# KiCad board st225_20527.kicad_pcb (continued)
## Nets (continued)
RMODE_IN: 3J1.5 J7.3 RP14.9
SEEK_COMPLETE: 1C1.12 4B1.2 6D1.9
STEP: 3J1.12 4B1.9
WCURR0: 5D1.6 8E1.13
WCURR1: 5D1.5 8E1.2
WRITE_FAULT: 1C1.3 1C1.4 1D2.12 8E1.12 RP7.4
~{DC_UNSAFE}: 4A1.10 5B1.37
~{INDEX}: 1D2.6 J1.20
~{OUT_EN}: 1C1.5 1C1.9 1C1.10 1C1.13 1D2.2 1D2.4 1D2.9 1D2.13 1H1.6 4B1.5 4B1.10 R9.2
~{READY}: 1D2.8 J1.22
~{SEEK_COMPLETE}: 1C1.11 J1.8
~{START}/RUN: 1H1.12 2E1.1 2E1.7 3B1.3 R13.2
~{TRACK000}: 1D2.3 J1.10
~{WRITE_FAULT}: 1D2.11 J1.12
Net-(1B1A-B): 1B1.2 1B1.12
Net-(1B1A-Cext): 1B1.14 C36.2
Net-(1B1A-Q): 1B1.13 3A1.2
Net-(1B1A-RCext): 1B1.15 C36.1 R24.2
Net-(1B1B-Cext): 1B1.6 C44.2
Net-(1B1B-RCext): 1B1.7 C44.1 R25.2
Net-(1C1-Pad2): 1C1.2 C17.1 R10.1
Net-(1D2-Pad1): 1D2.1 3J1.8
Net-(1H1-Pad2): 1H1.2 R21.1
Net-(1H1-Pad10): 1H1.10 C18.1 R12.2
Net-(1H1-Pad11): 1H1.3 1H1.11 3J1.2
Net-(2E1-Pad2): 2E1.2 3B1.2 R16.2
Net-(2E1-Pad3): 2E1.3 R22.2
Net-(2E1-Pad5): 2E1.5 R29.2
Net-(3A1A-~{Q}): 3A1.6 3B1.13
Net-(3A1A-~{R}): 3A1.1 3A1.4 3A1.13 RP12.2
Net-(3A1B-D): 3A1.8 3A1.12
Net-(3A1B-Q): 3A1.9 4A1.2
Net-(3A1B-~{S}): 3A1.10 3B1.10 RP12.5
Net-(4A1A-Cext): 4A1.14 C22.2
Net-(4A1A-RCext): 4A1.15 C22.1 R33.2
Net-(4A1B-Cext): 4A1.6 C23.2
Net-(4A1B-RCext): 4A1.7 C23.1 R34.2
Net-(4A1B-~{Q}): 4A1.12 5D1.39 6D1.13
Net-(4F1-COIL_A): 4F1.6 RP4.2
Net-(4F1-COIL_B): 4F1.7 RP4.3
Net-(4F1-FREF): 4F1.1 Q7.3 R14.1 R15.1
Net-(4F1-SENSE): 4F1.5 R17.2 R23.2
Net-(5B1A-VCTAP): 5B1.39 R44.1
Net-(5B1A-VHS): 5B1.38 8E1.20
Net-(5B1A-WDATA_IN+): 5B1.20 J2.14 R6.1
Net-(5B1A-WDATA_IN-): 5B1.19 J2.13 R6.2
Net-(5B1A-WDO+): 5B1.17 9E1.8 C6.1 R46.2
Net-(5B1A-WDO-): 5B1.16 9E1.7 C6.2 R46.1
Net-(5B1A-WRITE_CUR): 5B1.14 R7.2 R8.1 R11.1
Net-(5B1A-WRT_OK): 4B1.6 5B1.13 RP12.7
Net-(5B1A-~{WRT_FAULT}): 5B1.36 R10.2
Net-(5B1B-+GAIN): 5B1.4 R4.2
Net-(5B1B--GAIN): 5B1.3 L5.2
Net-(5B1B-DI+): 5B1.1 C7.2 L3.2 R3.1 TP1.1
Net-(5B1B-DI-): 5B1.2 C7.1 L4.2 R3.2 TP2.1
Net-(5B1B-DO+): 5B1.7 C10.1 R45.2 R48.1
Net-(5B1B-DO-): 5B1.8 C13.1 R47.1 R49.1
Net-(5B1C-+C1): 5B1.9 C10.2 R50.1 R51.1
Net-(5B1C-+C2): 5B1.10 5B1.11 C42.1 L9.2 R51.2
Net-(5B1C--C2): 5B1.12 R50.2 R52.1
Net-(5B1C-OA): 5B1.29 RP1.3
Net-(5B1C-TMG1): 5B1.33 C14.1 R5.1
Net-(5B1C-TMG2): 5B1.32 C39.2 R32.1
Net-(5B1C-TMG3): 5B1.31 C15.1 R36.2
Net-(5B1C-TMG4): 5B1.30 C41.2 R43.1
Net-(5D1-CNTR): 4B1.8 4B1.11 5D1.21 6D1.3 6D1.11 RP7.2
Net-(5D1-PA1): 5D1.37 6D1.5
Net-(5D1-PA4): 4B1.12 5D1.34
Net-(5D1-PB0): 5D1.29 7F1.15
Net-(5D1-PB1): 5D1.28 7F1.14
Net-(5D1-PB2): 5D1.27 7F1.13
Net-(5D1-PB3): 5D1.26 7F1.12
Net-(5D1-PB4): 5D1.25 6F1.15
Net-(5D1-PB5): 5D1.24 6F1.14
Net-(5D1-PB6): 5D1.23 6F1.13
Net-(5D1-PB7): 5D1.22 6F1.12
Net-(5D1-PC0): 5D1.20 7E1.7
Net-(5D1-PC1): 5D1.19 7E1.10
Net-(5D1-PC2): 5D1.18 7E1.8
Net-(5D1-PC3): 5D1.17 6D1.10
Net-(5D1-PC4): 3J1.11 5D1.16
Net-(5D1-PC5): 3J1.9 5D1.15
Net-(5D1-PC6): 1H1.13 5D1.14
Net-(5D1-PC7): 1H1.1 5D1.13
Net-(5D1-XTLI): 5D1.10 Y1.2
Net-(5D1-~{NMI}): 5D1.40 R35.2
Net-(6D1A-~{R}): 6D1.1 6D1.4 RP7.3
Net-(6F1-4): 6F1.5 RP10.4
Net-(6F1-9): 6F1.11 RP10.2
Net-(7E1-1/2_STEP): 7E1.9 RP7.6
Net-(7E1-PH0): 7E1.2 R39.1 RP5.2
Net-(7E1-PH1): 7E1.3 R40.1 RP5.5
Net-(7E1-PH2): 7E1.14 R41.1 RP5.7
Net-(7E1-PH3): 7E1.15 R42.1 RP5.3
Net-(7E1-SET): 7E1.6 Q9.1
Net-(7F1-4): 7F1.5 RP10.6
Net-(7F1-9): 7F1.11 RP10.8
Net-(8E1-12V): 8E1.10 9E1.12 C1.1 C25.2 R75.1
Net-(8E1-IWR1): 8E1.19 R11.2
Net-(8E1-IWR2): 8E1.14 R8.2
Net-(8E1-VCTAP): 8E1.1 C2.1 R44.2
Net-(8E1-~{HDSEL4}): 8E1.15 R30.2
Net-(9E1-DO+): 9E1.10 C5.1
Net-(9E1-DO-): 9E1.9 C4.1
Net-(9E1-G+): 9E1.6 C19.1 C45.1
Net-(9E1-G-): 9E1.5 C19.2 C45.2
Net-(C3-Pad1): C3.1 L2.2 L4.1
Net-(C3-Pad2): C3.2 L1.2 L3.1
Net-(C4-Pad2): C4.2 R1.2
Net-(C5-Pad2): C5.2 R2.2
Net-(C9-Pad1): C9.1 L5.1
Net-(C9-Pad2): C9.2 R4.1
Net-(C11-Pad1): C11.1 R48.2
Net-(C12-Pad1): C12.1 R49.2
Net-(C13-Pad2): C13.2 C42.2 L9.1 R52.2
Net-(C20-Pad2): C20.2 R26.1
Net-(CR1-A): CR1.2 Q6.3 RP6.5
Net-(CR2-K): CR2.1 Q5.1 RP6.3
Net-(CR3-K): CR3.1 Q1.1 Q3.1 R20.1 R28.1
Net-(D5-K): D5.1 R12.1
Net-(J3-Pin_1): J3.1 L7.1
Net-(J3-Pin_4): J3.4 L8.1
Net-(J5-Pin_2): 9E1.13 J5.2
Net-(J5-Pin_4): 9E1.14 J5.4
Net-(J5-Pin_6): 9E1.15 J5.6
Net-(J5-Pin_8): 9E1.16 J5.8
Net-(J5-Pin_10): 9E1.4 J5.10
Net-(J5-Pin_12): 9E1.3 J5.12
Net-(J5-Pin_14): 9E1.2 J5.14
Net-(J5-Pin_16): 9E1.1 J5.16
Net-(J6-Pin_1): J6.1 R42.2 RP10.1 TP7.1
Net-(J6-Pin_2): J6.2 R41.2 RP10.3 TP6.1
Net-(J6-Pin_3): J6.3 R40.2 RP10.7 TP5.1
Net-(J6-Pin_5): J6.5 R39.2 RP10.5 TP4.1
Net-(J7-Pin_11): 3J1.1 J7.9 J7.11 J7.13 J7.15 R61.2 R62.1
Net-(L1-Pad1): L1.1 R1.1
Net-(L2-Pad1): L2.1 R2.1
Net-(Q1-B): Q1.3 R20.2 R22.1
Net-(Q2-B): Q2.3 RP3.2 RP4.1
Net-(Q2-E): Q2.1 Q4.1 R23.1 R27.1
Net-(Q3-B): Q3.3 R28.2 R29.1
Net-(Q4-B): Q4.3 RP3.4 RP4.4
Net-(Q5-B): Q5.3 Q6.1 RP6.4
Net-(Q6-B): Q6.2 RP6.2
Net-(Q7-B): C21.2 Q7.2 R14.2
Net-(Q9-B): Q9.2 R21.2 R37.1
Net-(Q9-C): Q9.3 R38.1
Net-(RP6A-R1.1): 3B1.4 RP6.1
Net-(RP12E-R5.2): 4B1.13 RP12.6
Net-(RP12G-R7.2): 3B1.6 4B1.3 4B1.4 RP12.8

Pads without a net: 1B1 4 5; 1H1 8 9; 3A1 5; 3B1 8 9; 4A1 4 5; 4F1 2; 5B1 6 15 24 25 34; 5D1 2 3 4 7 8 9 32 35; 6D1 6 8; 6F1 1 2 3 4 6 7 9 10; 7E1 11; 7F1 1 2 3 4 6 7 9 10; 8E1 3 4 5; J2 3 5 9 10; J4 6; J6 4; RP1 1 2; RP4 6

## Via types
v1: diameter 1.524, hole 0.762, Top to Bottom, 190 vias

## Routing (per net, layer and track width the routed paths; a pad name or vN(x,y) marks a point on that pad's centre or on a via; arc(x,y) is an arc through that point)
+5V: length 814.1
  Top w0.508: 1C1.14 73.12,14.3 89.96,14.3 1D2.14
  Top w0.762: v1(105.54,164.21) 100.87,164.21 98.57,161.92
  Top w1.016: 71.76,27.56 52.45,27.56 v1(51.94,28.07) ; 71.76,27.56 3J1.14 ; 71.76,27.56 89.53,27.56 1H1.14 ; C14.2 31.5,99.27 C39.1 ; RP7.1 90.42,141.99 v1(90.93,142.49) ; 3B1.14 25.26,36.83 32.38,36.83 RP12.1 ; 96.52,135.51 96.52,131.7 95.99,131.17 5D1.30 ; 96.52,135.51 v1(98.81,135.51) ; 96.52,135.51 v1(92.84,135.51) ; 4B1.14 26.8,59.94 28.7,58.04 33.27,58.04 35.69,60.45 v1(39.88,60.45) ; v1(132.72,48.51) 132.08,49.15 128.77,49.15 J4.3 127.5,48.52 121.93,54.09 Q7.1 ; 5D1.1 70.61,113.3 70.61,117.73 76.58,123.7 95.63,123.7 v1(96.01,124.08) 100.58,124.08 101.85,122.81 114.43,122.81 117.61,119.62 v1(130.19,119.62) ; RP14.10 63.37,40.01 62.87,40.51 54.23,40.51 v1(53.47,39.75) ; v1(115.06,28.07) 117.99,28.07 L8.2
  Top w1.27: C43.1 117.98,35.31 119,34.29 119,28.42 L8.2
  Bottom w0.254: 127.63,39.62 126.62,40.64 126.62,41.4 127.38,42.16 128.52,42.16 129.79,40.89 128.52,39.62 127.63,39.62
  Bottom w0.508: 7F1.16 129.42,147.56 131.57,145.42 131.57,144.53 132.08,144.02 ; D5.2 112.39,189.62 110.87,191.14 108.97,191.14 105.54,187.71 105.54,183.9 109.09,180.34 109.09,160.91 107.95,159.77 ; v1(105.54,164.21) 105.79,163.96 105.79,160.91 107.44,159.26 ; 92.84,139.7 92.84,140.08 90.93,141.99 v1(90.93,142.49)
  Bottom w0.762: 5D1.30 95.99,124.1 v1(96.01,124.08)
  Bottom w1.016: v1(51.94,28.07) 52.71,28.83 52.71,38.99 v1(53.47,39.75) 52.71,40.51 52.71,42.16 47.5,47.37 47.5,53.09 40.13,60.45 v1(39.88,60.45) ; 135.38,110.11 125.86,110.11 123.06,107.32 123.06,89.41 ; R17.1 131.44,65.66 131.44,49.78 v1(132.72,48.51) ; R17.1 123.06,74.04 123.06,89.41 ; R17.1 130.81,68.83 130.81,85.98 132.59,87.76 132.59,89.41 123.06,89.41 ; 23.94,78.93 24.77,78.11 24.77,59.94 ; 23.94,78.93 23.99,78.88 RP1.4 ; 23.94,78.93 22.73,80.14 22.73,88.39 24.13,89.79 24.13,101.35 ; C43.1 123.44,35.31 126.11,37.97 126.11,40.13 126.62,40.64 ; 6D1.14 90.18,132.85 v1(92.84,135.51) 92.84,139.7 ; C41.1 18.92,101.26 19.01,101.35 ; v1(98.81,135.51) 104.39,135.51 107.44,138.56 107.44,159.26 107.95,159.77 ; 70.61,109.47 C40.1 ; 70.61,109.47 70.59,109.49 5D1.1 ; 70.61,109.47 R35.1 ; 25.4,38.99 25.4,51.31 24.77,51.94 24.77,59.94 ; 25.4,38.99 25.4,35.43 24.64,34.67 24.64,16.89 23.23,15.48 18.93,15.48 16.51,17.91 R24.1 12.7,22.73 R18.1 12.7,22.99 R19.1 12.7,30.48 R25.1 12.57,38.87 14.48,40.77 14.48,55.63 R33.1 12.7,62.59 4A1.16 13.84,66.04 13.84,82.42 R34.1 ; 25.4,38.99 23.11,38.99 3B1.14 ; 4B1.14 24.77,59.94 ; R9.1 41.4,37.47 39.75,37.47 R61.1 R31.1 33.66,37.47 RP12.1 ; 19.01,101.35 C31.1 C16.1 16.72,107.28 18.94,109.49 5B1.27 ; 19.01,101.35 24.13,101.35 ; C39.1 29.21,99.95 27.81,101.35 24.13,101.35 ; v1(115.06,28.07) 110.62,28.07 108.71,29.97 108.71,33.78 R16.1 ; 132.72,43.43 130.17,40.89 129.79,40.89 ; 84.58,148.34 84.58,146.3 87.76,143.13 RP7.1 ; 130.3,119.51 v1(130.19,119.62) 6F1.16 132.08,138.03 132.08,144.02
  Bottom w1.27: v1(130.19,119.62) 135.38,114.43 135.38,110.11 135.25,109.98 135.25,100.84 132.59,98.17 132.59,89.41 ; 132.72,43.43 v1(132.72,48.51)
+12V: length 268
  Top w1.016: v1(96.39,88.14) 100.33,92.08 CR3.2 ; v1(67.94,49.66) 67.56,50.04 43.31,50.04 v1(43.18,49.91) ; v1(100.2,59.56) 102.36,57.4 RP4.5 ; v1(102.23,137.41) R37.2
  Bottom w1.016: v1(102.23,137.41) 105.55,140.73 7E1.1 ; 109.09,57.4 RP4.5 ; 109.09,57.4 109.08,57.41 4F1.8 ; 109.09,57.4 113.16,57.4 114.94,55.63 114.94,51.18 116.2,49.91 116.2,37.34 114.81,35.94 114.81,32.51 ; 78.36,107.06 78.36,105.41 95.63,88.14 v1(96.39,88.14) 100.2,84.33 v1(100.2,59.56) 99.06,58.55 88.26,49.78 73.03,49.78 70.99,51.82 69.34,51.82 67.94,50.42 v1(67.94,49.66) ; 34.8,90.42 34.8,67.69 36.07,66.42 36.07,57.02 v1(43.18,49.91)
  Bottom w1.27: 114.81,32.51 113.06,32.51 C24.1 ; L7.2 125.26,23.41 117.22,15.37 110.74,15.37 CR2.2
+12VA: length 241.8
  Top w1.27: v1(20.32,116.08) v1(24.38,116.08) ; v1(6.35,116.08) v1(9.65,116.08) ; v1(52.32,114.17) 45.72,114.17 43.82,116.08 v1(42.54,116.08) ; v1(4.32,93.85) 6.48,91.69 10.41,91.69 11.05,92.33
  Bottom w1.27: 52.2,107.06 52.32,107.19 v1(52.32,114.17) ; 1.27,116.08 v1(6.35,116.08) ; 1.27,116.08 1.27,128.65 4.57,131.95 4.57,137.54 7.62,140.59 16.51,140.59 19.74,139.18 arc(24.52,137.81) 29.46,137.35 30.16,137.35 arc(40.37,139.38) 49.02,145.16 53.34,150.5 arc(56.29,157.62) 57.08,165.29 55.88,172.59 56.01,184.79 58.8,187.58 C46.1 68.45,187.58 74.29,181.74 74.29,179.45 ; 1.27,116.08 1.27,102.11 4.32,99.06 v1(4.32,93.85) ; 15.24,92.46 17.91,92.46 19.69,90.68 ; 15.24,92.46 11.18,92.46 10.41,91.69 ; 15.24,92.46 15.24,96.27 ; v1(9.65,116.08) v1(20.32,116.08) ; v1(24.38,116.08) v1(42.54,116.08)
GND: length 187
  Top w1.016: R43.2 21.72,94.36 R5.2 ; C47.2 96.39,140.84 97.79,139.45 106.3,139.45 114.55,131.19 v1(118.62,131.19) ; C16.2 C31.2 ; v1(51.94,15.88) v1(49.28,15.88)
  Bottom w0.254: 1H1.7 76.21,30.36 73.53,27.69 73.53,24.51 76.21,21.84 1D2.7 ; C17.2 81.53,22.86 80.01,24.38 80.01,28.83 79.63,29.21 79.63,30.1 81.41,31.88 81.79,31.88 82.42,32.51 82.42,35.18 v1(83.06,35.81)
  Bottom w0.508: J2.15 8.76,8.64 10.8,10.67 v1(10.8,11.3) ; 7E1.4 97.93,158.23 RP5.4 ; 10.8,43.94 11.05,43.69 11.05,16.13
  Bottom w1.016: v1(51.94,15.88) 56.39,20.33 1C1.7 ; v1(9.14,94.23) 8.89,93.98 8.89,62.74 7.62,61.47 7.62,47.12 10.8,43.94 ; v1(122.68,116.97) 119.51,120.14 119.51,125.1 121.41,127 121.41,130.3 120.52,131.19 v1(118.62,131.19)
  Bottom w1.27: J2.19 3.68,9.53 v1(4.45,10.29)
  vias: v1(3.05,38.35) v1(5.71,38.35) v1(19.56,12.83) v1(25.4,13.97) v1(64.26,194.82) v1(64.26,192.28) v1(88.39,152.02) v1(89.15,150.11) v1(90.42,152.78) v1(90.93,150.88) v1(92.2,149.61) v1(92.84,151.38) v1(94.11,149.61) v1(97.28,153.42) v1(98.55,152.15) v1(99.82,150.75) v1(100.33,152.27) v1(101.22,149.48) v1(101.73,151.38)
/Analog and Interface/+RD: length 107.6
  Top w0.254: J2.17 6.22,8.64 v1(8.13,10.54)
  Bottom w0.254: 5B1.22 6.22,109.59 6.22,64.52 4.95,63.25 4.95,45.21 8.76,41.4 8.76,11.18 v1(8.13,10.54)
/Analog and Interface/-RD: length 112.7
  Bottom w0.254: 5B1.23 8.78,109.84 7.75,110.87 5.59,110.87 5.08,110.36 5.08,101.47 5.59,100.97 5.59,64.9 4.32,63.63 4.32,44.58 8,40.89 8,12.45 6.22,10.67 J2.18
/Analog and Interface/COIL_A: length 115
  Top w1.016: J4.5 123.19,43.44 v1(122.55,42.8)
  Bottom w0.254: Q2.2 117.86,105.54 118.87,106.55 118.87,108.71 117.47,110.11 114.68,110.11 114.3,109.73 114.3,108.71 112.52,106.93 110.62,106.93 109.35,108.2 96.52,108.2 95.14,106.82 RP3.1
  Bottom w1.016: R26.2 118.36,38.61 v1(122.55,42.8) ; 118.36,96.65 118.36,89.92 120.65,87.63 120.65,72.14 126.36,66.42 126.36,45.22 J4.5 ; 118.36,96.65 Q1.2 ; 118.36,96.65 118.36,105.54 Q2.2
/Analog and Interface/COIL_B: length 98.6
  Top w0.762: v1(105.79,83.57) 107.82,85.6 112.9,85.6 114.43,84.07 Q4.2
  Top w1.016: J4.7 128.14,38.61 125.61,41.15 v1(124.46,41.15)
  Bottom w0.254: RP3.3 95.36,101.74 96.52,100.58 96.52,93.47 100.2,89.79 104.78,89.79 106.68,87.88 106.68,84.46 v1(105.79,83.57)
  Bottom w1.016: Q4.2 115.32,84.07 116.84,82.55 116.84,80.26 116.2,79.63 113.66,79.63 112.9,78.87 112.9,76.45 113.92,75.44 114.62,75.44 Q3.2 116.59,75.06 118.75,72.9 118.75,71.12 124.46,65.41 v1(124.46,41.15) 124.23,41.15 C20.1
/Analog and Interface/COIL_TAP: length 25.3
  Top w0.762: 113.16,44.32 107.31,38.48 Q5.2
  Top w1.016: v1(122.05,45.85) 122.18,45.98 J4.4 ; CR1.1 v1(118.75,44.2)
  Bottom w1.016: v1(118.75,44.2) v1(122.05,45.85)
/Analog and Interface/DS1: length 58.4
  Top w0.254: v1(36.07,13.34) 37.59,14.86 45.34,14.86 45.97,14.22 52.96,14.22 56.01,17.27 60.71,17.27 62.74,15.24 66.29,15.24 67.82,13.72 67.82,11.68 68.2,11.3 69.85,11.3 70.87,10.29 v1(74.8,10.29)
  Bottom w0.254: J7.16 35.56,13.84 v1(36.07,13.34) ; v1(74.8,10.29) 72.9,8.38 J1.26
/Analog and Interface/DS2: length 50.1
  Top w0.254: v1(38.1,12.7) 39.75,14.35 44.83,14.35 45.47,13.72 53.21,13.72 56.26,16.76 60.32,16.76 62.36,14.73 64.01,14.73 65.28,13.46 65.28,11.81 66.93,10.16 v1(68.58,10.16)
  Bottom w0.254: J1.28 70.36,8.38 v1(68.58,10.16) ; J7.14 v1(38.1,12.7)
/Analog and Interface/DS3: length 42.9
  Top w0.254: v1(40.64,12.7) 41.78,13.84 44.45,13.84 45.09,13.21 53.47,13.21 54.99,14.73 61.6,14.73 62.74,13.59 62.74,12.32 v1(64.77,10.29)
  Bottom w0.254: v1(64.77,10.29) 65.53,10.29 67.82,8 J1.30 ; J7.12 v1(40.64,12.7)
/Analog and Interface/DS4: length 37.1
  Top w0.254: v1(62.87,10.29) 61.72,11.43 58.04,11.43 57.66,11.81 57.66,13.72 57.15,14.22 55.24,14.22 53.72,12.7 v1(43.18,12.7)
  Bottom w0.254: v1(62.87,10.29) 65.28,7.87 J1.32 ; J7.10 v1(43.18,12.7)
/Analog and Interface/HDC1: length 19.4
  Bottom w0.254: J5.3 84.27,183.07 82.93,181.74 82.68,181.74 82.04,181.1 82.04,179.45 87.12,174.37 87.12,172.34 86.23,171.45 84.84,171.45 83.33,169.95 8E1.9
/Analog and Interface/HDC2: length 19.2
  Bottom w0.254: J5.7 89.67,178.04 92.2,175.51 92.2,172.47 91.57,171.83 89.66,171.83 89.03,171.2 87.5,171.2 85.87,169.56 8E1.8
/Analog and Interface/HDC3: length 18.2
  Bottom w0.254: J5.11 94.75,172.48 94.11,171.83 92.58,171.83 91.82,171.07 90.04,171.07 88.51,169.54 8E1.7
/Analog and Interface/HDC4: length 20.8
  Bottom w0.254: J5.15 99.83,172.35 98.55,171.07 92.71,171.07 91.18,169.54 90.95,169.54
/Analog and Interface/TWO: length 13.1
  Top w0.254: 1C1.6 57.8,19.3 55.75,19.3 54.61,20.45 54.61,21.21 54.23,21.59 50.29,21.59 49.02,22.86 J7.5
/Analog and Interface/WF: length 68.4
  Top w0.254: RP12.4 34.8,45.09 37.21,42.67 v1(49.53,42.67) ; v1(71.63,17.15) 70.36,17.15 69.22,18.29 50.29,18.29 J7.6
  Bottom w0.254: v1(71.63,17.15) 71.63,17.15 1C1.1 ; v1(49.53,42.67) 49.53,21.59 J7.6
/Analog and Interface/~{DIR}: length 38.2
  Top w0.254: v1(64.13,31.24) 64.91,31.24 3J1.3 68.45,34.78 v1(68.45,35.69)
  Bottom w0.254: v1(64.13,31.24) 64.13,27.94 62.87,26.67 62.87,12.19 61.6,10.92 61.6,9.4 62.74,8.26 62.74,4.83 ; v1(68.45,35.69) 68.45,35.69 RP14.8
/Analog and Interface/~{DRIVE_SELECT}: length 36.2
  Top w0.254: 1C1.8 55.13,11.56 27.43,11.56 26.54,10.67 J2.1
/Analog and Interface/~{HD2_0}: length 214.7
  Bottom w0.254: 96.03,161.92 95.88,161.92 94.23,160.27 92.71,160.27 91.44,159 91.44,154.69 96.65,149.48 96.65,146.69 97.79,145.54 97.79,139.83 95.88,137.92 95.88,133.99 95.25,133.35 95.25,130.94 97.28,128.91 97.28,121.03 95.25,119 88.14,119 87.63,119.51 85.09,119.51 83.95,118.36 74.17,118.36 73.53,117.73 72.77,117.73 68.58,113.54 68.58,110.49 64.77,106.68 64.77,103.76 54.61,93.6 54.61,70.74 60.96,64.39 60.96,61.21 62.1,60.07 62.1,50.93 67.31,45.72 71.25,45.72 74.29,42.67 80.26,42.67 RP14.2 83.69,37.98 87.63,34.04 87.63,9.14 88.14,8.64 J1.14
/Analog and Interface/~{HD2_1}: length 205.5
  Bottom w0.254: 8E1.16 93.21,161.92 91.57,160.27 89.53,160.27 88.9,159.64 88.9,157.86 87.63,156.59 86.61,156.59 85.85,155.83 85.85,146.56 88.9,143.51 88.9,136.02 86.36,133.48 86.36,130.81 84.58,129.03 84.58,124.21 80.65,120.27 72.39,120.27 71.75,119.63 71.12,119.63 66.68,115.19 66.68,112.01 62.87,108.2 62.87,105.79 51.31,94.23 51.31,71.37 59.05,63.63 59.05,52.96 66.8,45.21 70.36,45.21 73.53,42.04 80.01,42.04 81.15,40.9 RP14.3 81.41,39.24 85.09,35.56 85.09,16.64 82.55,14.1 82.55,9.14 83.06,8.64 J1.18
/Analog and Interface/~{HD2_2}: length 58.5
  Top w0.254: v1(95.12,14.1) 92.84,16.38 76.84,16.38 v1(76.07,17.15)
  Bottom w0.254: v1(95.12,14.1) 96.39,12.83 99.69,12.83 100.84,11.68 J1.4 ; v1(76.07,17.15) 74.29,18.92 74.29,22.73 73.03,24 73.03,28.83 74.8,30.61 74.8,33.91 76.07,35.18 76.07,39.24 RP14.5
/Analog and Interface/~{HD2_3}: length 59.3
  Top w0.254: v1(77.09,24) 78.61,24 80.9,21.72 87,21.72 87.76,22.48 89.92,22.48 90.81,21.59 92.33,21.59 92.84,21.08 92.84,18.42 v1(97.16,14.1)
  Bottom w0.254: J1.2 103.38,10.41 99.69,14.1 v1(97.16,14.1) ; v1(77.09,24) 75.82,24 74.93,24.89 74.93,26.67 78.1,29.84 78.1,30.73 80.01,32.64 80.01,33.91 78.61,35.31 78.61,39.24 RP14.4
/Analog and Interface/~{RD_DRV_SEL}: length 261.2
  Top w0.254: v1(67.31,129.16) v1(62.99,129.16) ; v1(79.25,17.91) 78.36,18.8 54.86,18.8 J7.2
  Top w0.762: 1H1.5 1H1.4
  Bottom w0.254: v1(62.99,129.16) 62.99,126.62 59.31,122.94 27.3,122.94 26.03,121.67 11.94,121.67 8.78,124.82 5B1.18 ; v1(79.25,17.91) 80.01,18.67 80.01,22.61 77.47,25.15 77.47,28.19 78.61,29.34 78.61,30.48 81.28,33.15 1H1.5 81.28,35.56 79.88,36.96 79.88,40.39 78.87,41.4 72.9,41.4 69.72,44.58 65.28,44.58 64.13,45.72 64.13,47.12 58.29,52.96 58.29,58.8 56.51,60.58 56.51,61.72 52.71,65.53 48.26,65.53 46.48,67.31 46.48,96.9 55.24,105.66 55.24,110.87 59.56,115.19 60.83,115.19 62.23,116.59 62.23,119.63 66.8,124.21 66.8,128.65 v1(67.31,129.16) 67.31,133.1 69.09,134.87 75.18,134.87 76.2,135.89 76.2,140.59 RP7.5
/Analog and Interface/~{RECOVERY_MODE}: length 96.1
  Top w0.254: v1(33.78,14.73) 32.64,14.73 30.1,12.19 21.21,12.19 18.92,9.91 J2.7 ; v1(84.46,10.16) 77.09,10.16 75.82,11.43 70.87,11.43 70.36,11.94 70.36,13.97 68.45,15.88 62.99,15.88 61.09,17.78 48.51,17.78 46.99,19.3 46.99,21.59 ; 46.99,21.59 34.8,21.59 v1(33.53,20.32) ; 46.99,21.59 49.53,21.59 50.8,20.32
  Bottom w0.254: v1(84.46,10.16) 85.6,9.02 J1.16 ; v1(33.78,14.73) 33.78,20.07 v1(33.53,20.32)
/Analog and Interface/~{STEP}: length 42.6
  Bottom w0.254: J1.24 75.44,8.26 76.33,9.14 76.33,10.67 73.03,13.97 73.03,22.35 71.75,23.62 70.48,23.62 69.22,24.89 3J1.13 69.22,27.18 73.28,31.24 73.28,33.78 72.64,34.42 70.99,34.42 70.36,35.05 70.36,36.58 70.99,37.21 70.99,39.24 RP14.7
/Analog and Interface/~{WRT_GATE}: length 158.3
  Top w0.254: v1(74.17,17.15) 75.82,15.49 91.82,15.49 v1(95.25,12.07) ; RP14.6 72.38,38.1 66.04,38.1 65.53,37.59 61.85,37.59 61.21,36.96 55.5,36.96 v1(54.74,37.72)
  Bottom w0.254: v1(95.25,12.07) 98.3,8.13 J1.6 ; v1(74.17,17.15) 73.66,17.65 73.66,22.35 71.75,24.26 71.12,24.26 70.48,24.89 70.48,27.56 74.04,31.12 74.04,34.16 73.53,34.67 73.53,39.24 RP14.6 ; 5B1.35 39.5,109.37 39.5,107.7 36.83,105.03 36.83,78.11 36.07,77.34 36.07,72.64 39.88,68.83 39.88,62.36 48.77,53.47 48.77,47.88 54.74,41.91 v1(54.74,37.72)
/Digital and Stepper/PA0: length 195
  Top w0.254: 1D2.5 78.86,22.86 73.15,22.86 71.88,24.13 65.66,24.13 65.02,23.5 59.44,23.5 57.53,21.59 55.88,21.59 55.24,22.23 55.24,23.62 54.61,24.26 53.72,24.26 51.31,26.67 v1(47.5,26.67) ; 4A1.13 14.36,71.36 18.16,67.56 20.7,67.56 22.1,68.96 v1(37.72,68.96) 45.47,68.96 48.51,72.01 v1(49.53,72.01)
  Bottom w0.254: v1(49.53,72.01) 49.53,94.87 61.6,106.93 61.6,109.6 65.41,113.41 65.41,116.59 69.85,121.03 70.48,121.03 75.67,126.22 5D1.38 ; v1(47.5,26.67) 44.32,29.84 44.32,51.56 37.46,58.42 37.46,68.71 v1(37.72,68.96)
/Digital and Stepper/PA7: length 176.7
  Top w0.254: v1(61.09,117.09) 67.44,117.09 74.93,124.59 92.07,124.59 93.45,125.96 5D1.31 ; 3B1.11 21.84,47.86 21.84,49.66 22.61,50.42 31.5,50.42 32.51,51.44 35.43,51.44 35.94,50.93 40.26,50.93 42.42,48.77 59.82,48.77 v1(62.74,45.85)
  Bottom w0.254: v1(62.74,45.85) 62.74,47.62 57.66,52.71 57.66,58.04 55.88,59.82 55.88,61.09 51.94,65.02 47.62,65.02 45.72,66.93 45.72,97.41 54.61,106.3 54.61,112.01 59.69,117.09 v1(61.09,117.09)
  Bottom w0.762: 3B1.12 3B1.11
/Digital and Stepper/PU123: length 71.6
  Top w0.254: 30.6,20.56 22.98,28.18 ; 4A1.11 4A1.3
  Top w0.762: 20.32,25.53 22.98,28.18
  Bottom w0.254: 20.32,25.53 20.19,25.53 17.53,28.19 17.53,59.82 20.45,62.74 20.45,67.54 4A1.3
DIR: length 144
  Top w0.254: v1(74.93,136.78) 85.1,136.78 6D1.2
  Bottom w0.254: v1(74.93,136.78) 69.09,136.78 66.04,133.73 66.04,124.59 53.85,112.4 53.85,106.93 44.83,97.92 44.83,73.91 43.18,72.26 43.18,66.8 46.23,63.75 46.23,63.12 54.48,54.86 54.48,50.55 58.93,46.1 58.93,44.45 62.1,41.28 63.5,41.28 64.64,40.13 64.64,38.23 64.14,37.72 3J1.4
FREF: length 42.8
  Top w0.254: C21.1 95.99,111.23 5D1.11
  Bottom w0.254: 5D1.11 97.26,112.01 104.27,112.01 104.9,112.65 104.9,113.92 106.81,115.82 128.14,115.82 Y1.1
HALL_IN: length 173.4
  Top w0.254: 97.02,28.18 95.62,28.18 94.36,26.92 92.58,26.92 90.81,28.7 57.15,28.7 56.39,29.46 37.08,29.46 v1(35.43,31.12) ; v1(27.18,43.82) 26.16,42.8 19.43,42.8 15.62,46.61 12.7,46.61 12.69,46.6
  Top w0.762: J4.1 128.14,54.61 124.21,58.55 v1(122.55,58.55)
  Bottom w0.254: R31.2 35.43,25.78 v1(35.43,31.12) 34.16,31.12 30.72,34.55 3B1.1 30.29,38.98 27.18,42.09 v1(27.18,43.82) ; 97.02,28.18 97.02,28.57 98.93,30.48 98.93,51.56 106.04,58.67 107.31,58.67 107.82,59.18 107.82,60.83 108.33,61.34 111.12,61.34 114.92,65.14 4F1.3 116.95,65.14 117.98,66.17 121.41,66.17 123.06,64.52 123.06,59.06 v1(122.55,58.55)
LIFE_TEST: length 170.4
  Top w0.254: 5D1.33 88.37,126.47 87.12,125.22 72.39,125.22 v1(69.98,122.81) ; v1(35.81,53.09) 37.34,51.56 v1(45.72,51.56) ; v1(49.02,69.47) 46.48,66.93 v1(38.73,66.93)
  Bottom w0.254: v1(35.81,53.09) 34.8,52.07 34.8,44.32 RP12.3 ; v1(49.02,69.47) 48.26,70.23 48.26,94.74 60.96,107.44 60.96,110.11 64.77,113.92 64.77,117.22 69.98,122.43 v1(69.98,122.81) ; J7.8 46.99,21.59 46.99,24 48.77,25.78 48.77,40.77 45.72,43.82 v1(45.72,51.56) 38.48,58.8 38.48,66.68 v1(38.73,66.93)
RD_DATA: length 105.4
  Top w0.254: v1(3.94,102.49) 5.71,100.71 v1(12.19,100.71)
  Bottom w0.254: 5B1.21 3.94,109.37 v1(3.94,102.49) ; v1(12.19,100.71) 13.08,100.71 20.95,92.84 20.95,62.74 21.72,61.98 21.72,57.02 20.19,55.5 18.8,55.5 18.41,55.12 18.41,48.77 19.3,47.88 20.7,47.88 21.46,47.12 21.46,45.22 3A1.3 21.46,42.91 21.46,32.24 22.98,30.72 21.46,29.21 21.46,24.13 20.45,23.11 R18.2
READY: length 103.3
  Top w0.254: v1(59.56,29.84) 59.94,29.46 80.77,29.46 v1(81.28,29.97) ; v1(45.72,61.72) 35.05,61.72 33.15,59.82 30.73,59.82 4B1.1
  Bottom w0.254: v1(81.28,29.97) 82.42,28.83 82.42,24.89 83.31,24 83.31,21.97 82.55,21.21 82.55,16.64 81.28,15.37 1D2.10 ; v1(45.72,61.72) 45.72,61.59 53.85,53.47 53.85,50.17 58.17,45.85 58.17,44.2 62.1,40.26 62.1,36.96 62.87,36.2 62.87,31.75 60.96,29.84 v1(59.56,29.84) 61.6,27.81 3J1.10
RECOVERY_MODE: length 161.8
  Top w0.254: v1(48.39,117.73) 48.51,117.6 58.67,117.6 60.07,119 66.17,119 67.94,120.78 67.94,124.02 70.68,126.75 80.14,126.75 80.75,127.36 5D1.36 ; v1(54.61,47.12) 54.36,47.37 42.67,47.37 40.01,50.04 35.94,50.04 34.93,49.02 30.85,49.02 3B1.5
  Bottom w0.254: v1(48.39,117.73) 48.39,105.79 45.72,103.12 42.42,103.12 41.53,102.24 41.53,77.34 42.54,76.33 42.54,66.29 44.32,64.52 44.32,61.09 53.39,52.02 53.39,48.34 v1(54.61,47.12) 54.61,46.74 59.06,42.29 3J1.6
RMODE_IN: length 32.1
  Top w0.254: v1(60.32,38.23) 60.45,38.1 64.64,38.1 65.79,39.24 RP14.9 ; v1(50.8,31.75) 60.34,31.75 3J1.5
  Bottom w0.254: v1(50.8,31.75) 50.8,22.86 ; v1(60.32,38.23) 61.6,36.95 3J1.5
SEEK_COMPLETE: length 170
  Top w0.254: v1(51.94,67.44) 48.39,63.88 v1(48.39,63.25) 44.45,63.25 43.82,62.61 30.73,62.61 4B1.2
  Bottom w0.254: 6D1.9 76.22,130.43 69.85,130.43 69.22,129.79 69.22,125.98 67.94,124.71 67.94,122.81 63.5,118.36 63.5,115.19 62.23,113.92 61.47,113.92 56.51,108.97 56.51,104.52 47.62,95.63 47.62,68.58 48.77,67.44 v1(51.94,67.44) ; 1C1.12 66.55,12.82 65.41,13.97 65.41,26.8 67.94,29.34 67.94,34.04 67.18,34.8 67.18,40.13 65.28,42.04 62.36,42.04 59.56,44.83 59.56,46.36 55.12,50.8 55.12,55.37 48.39,62.1 v1(48.39,63.25)
STEP: length 85.5
  Top w0.254: v1(54.1,25.65) 55.75,24 64.9,24 66.28,25.39 3J1.12 ; v1(37.46,73.91) 28.07,73.91 26.8,72.64 4B1.9
  Bottom w0.254: v1(37.46,73.91) 37.46,72.64 40.51,69.6 40.51,62.87 49.4,53.98 49.4,48.26 55.88,41.78 55.88,36.2 54.1,34.42 v1(54.1,25.65)
WCURR0: length 103.3
  Bottom w0.254: 5D1.6 84.57,114.55 88.9,114.55 90.17,115.82 101.09,115.82 107.44,122.17 107.44,129.79 106.81,130.43 105.54,130.43 103,132.97 97.92,132.97 96.65,134.24 96.65,136.91 100.33,140.59 100.33,143.76 101.6,145.03 101.6,148.21 102.87,149.48 102.87,152.15 101.09,153.92 99.57,153.92 99.19,154.31 99.19,159.13 100.33,160.27 101.73,160.27 102.23,160.78 102.23,163.07 100.46,164.85 87.12,164.85 85.85,163.58 85.87,163.56 8E1.13
WCURR1: length 96.6
  Bottom w0.254: 8E1.2 101.09,169.52 101.09,166.62 104.9,162.81 104.9,161.04 104.27,160.4 104.27,146.3 100.97,143 100.97,139.95 97.16,136.14 97.16,135 98.04,134.11 102.87,134.11 105.92,131.06 108.58,131.06 109.98,129.67 109.98,122.17 103,115.19 90.68,115.19 89.53,114.05 89.53,112.65 88.9,112.01 82.02,112.01 5D1.5
